# Altium PCB duo_x.PcbDoc (part 1 of 3)
Units mm, origin at the board's own origin, x right, y up, seen from the top; angles counter-clockwise.
Board outline 172 x 152 mm, 2 copper layers (Top Layer, Bottom Layer), stack 1.581 mm thick; 199 components, 164 nets, 858 pads, 437 vias.
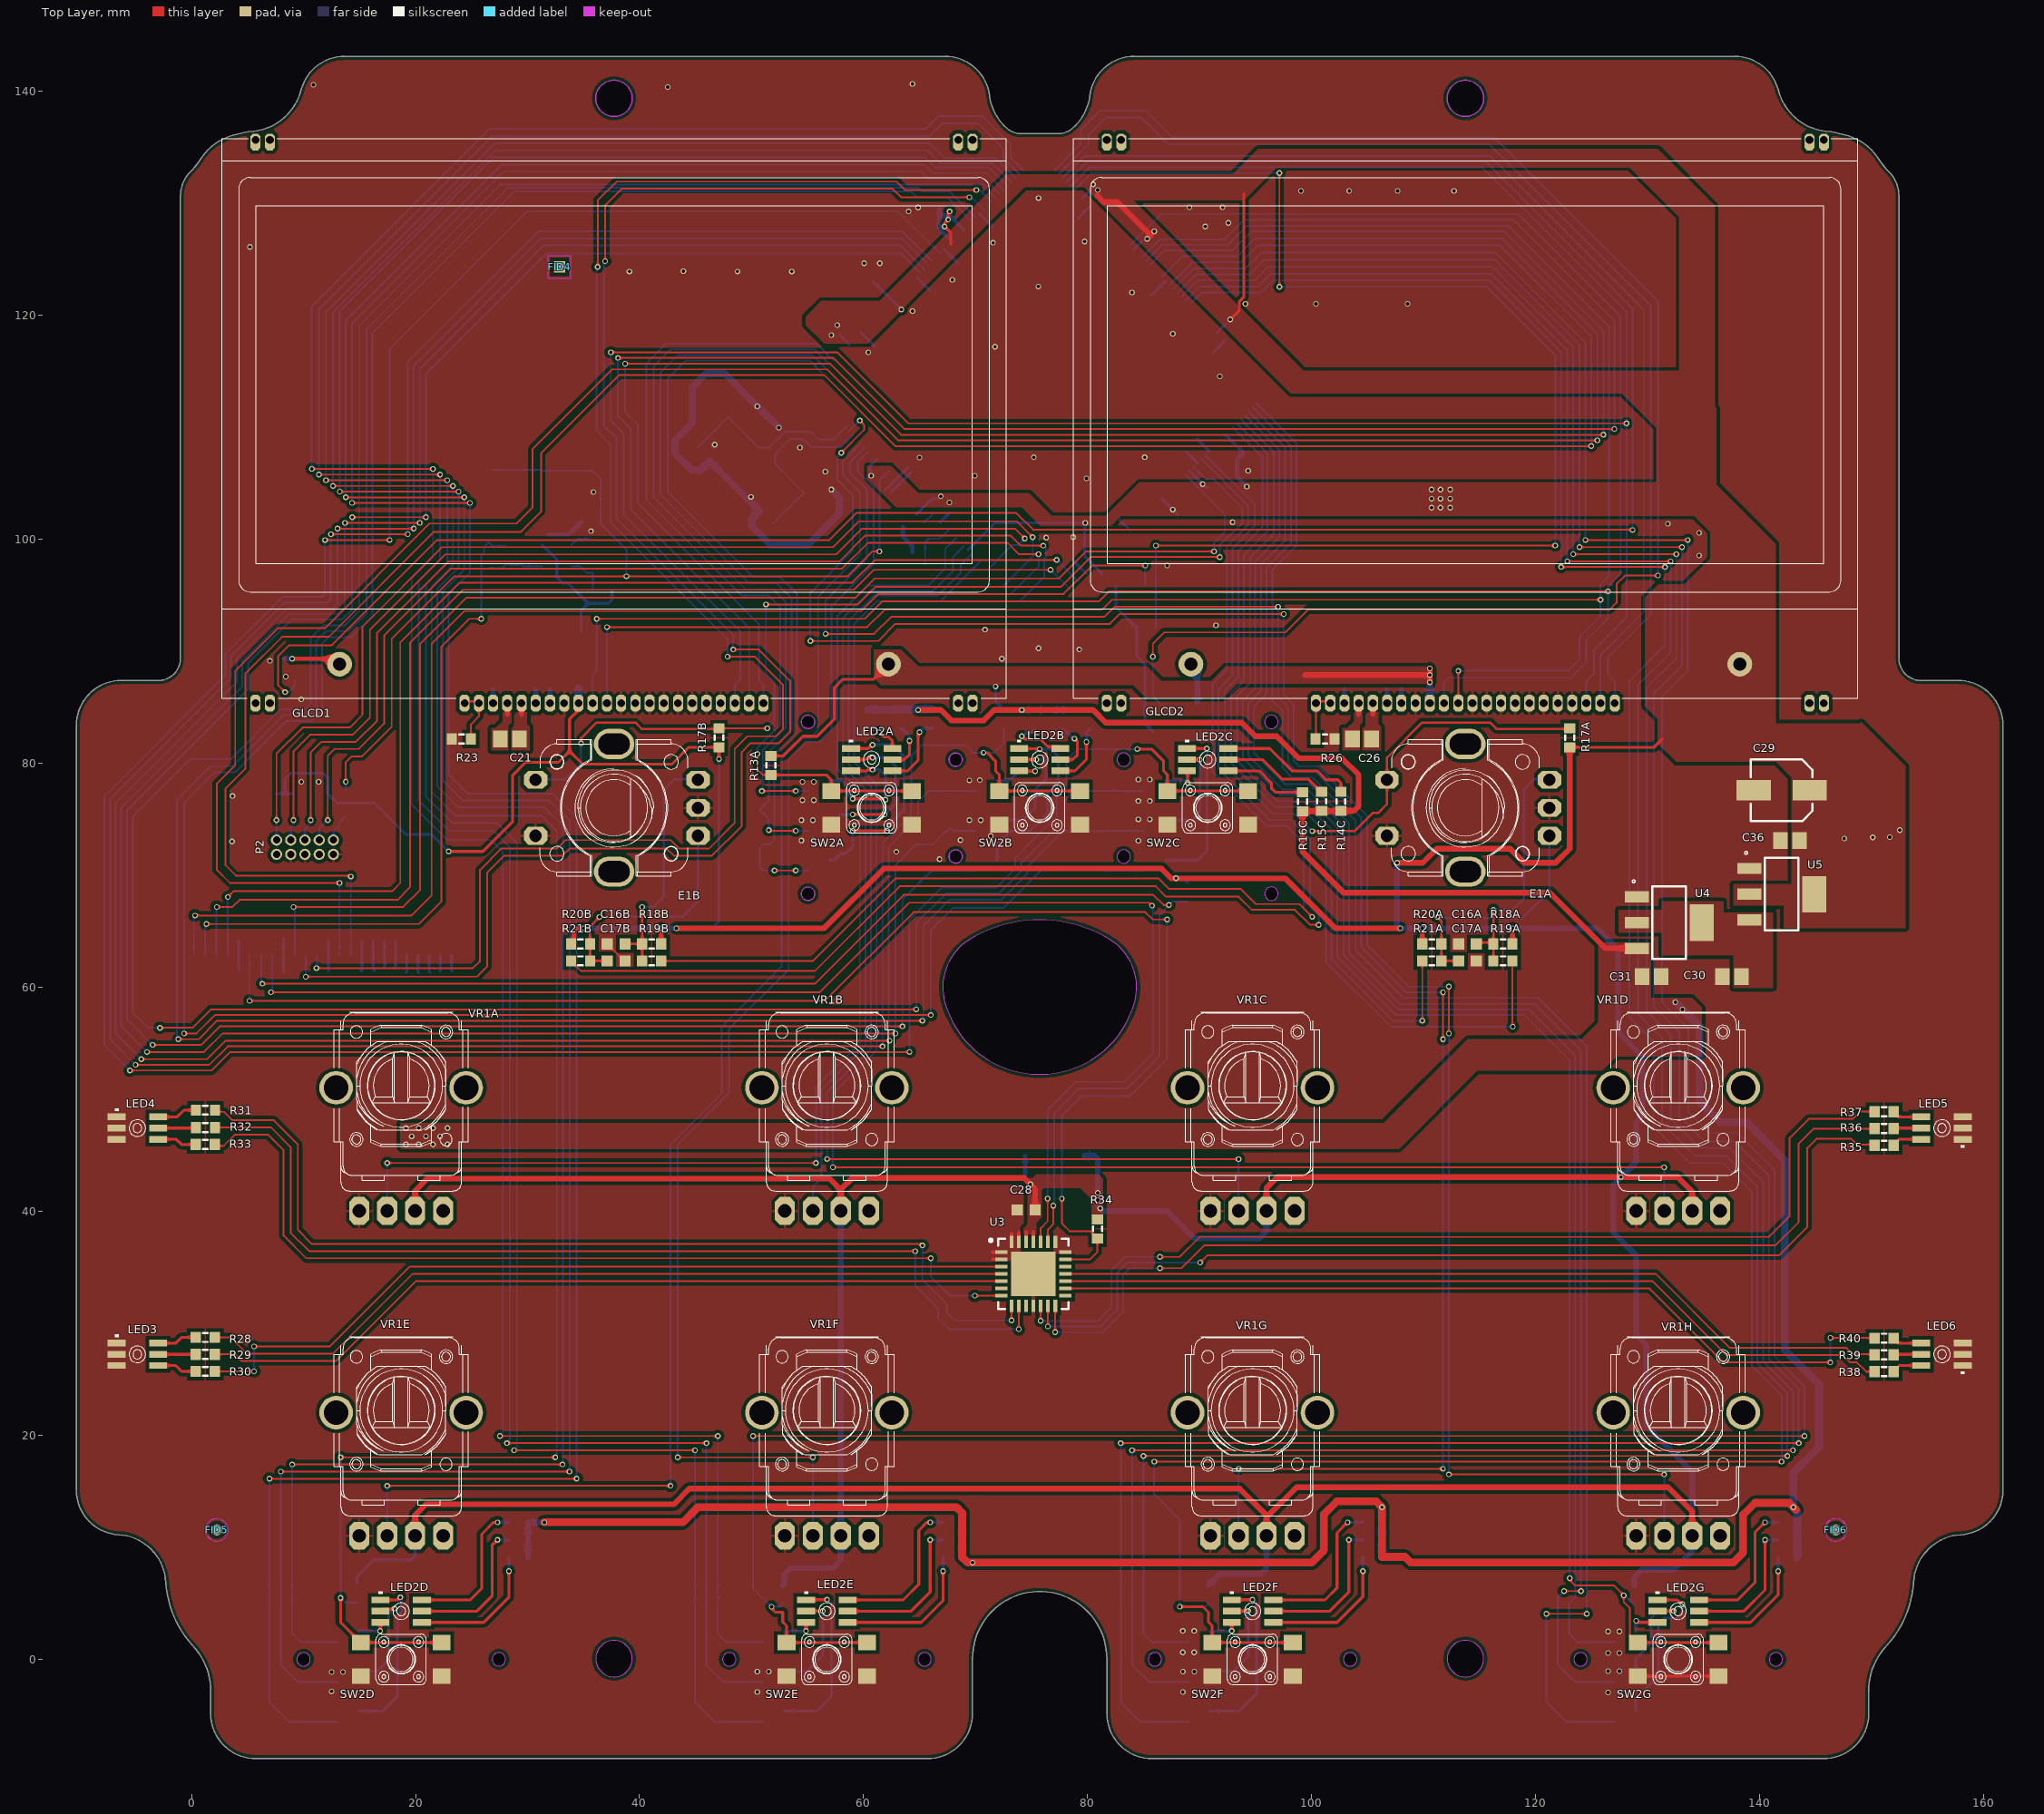
[diagram p0: Top Layer view]
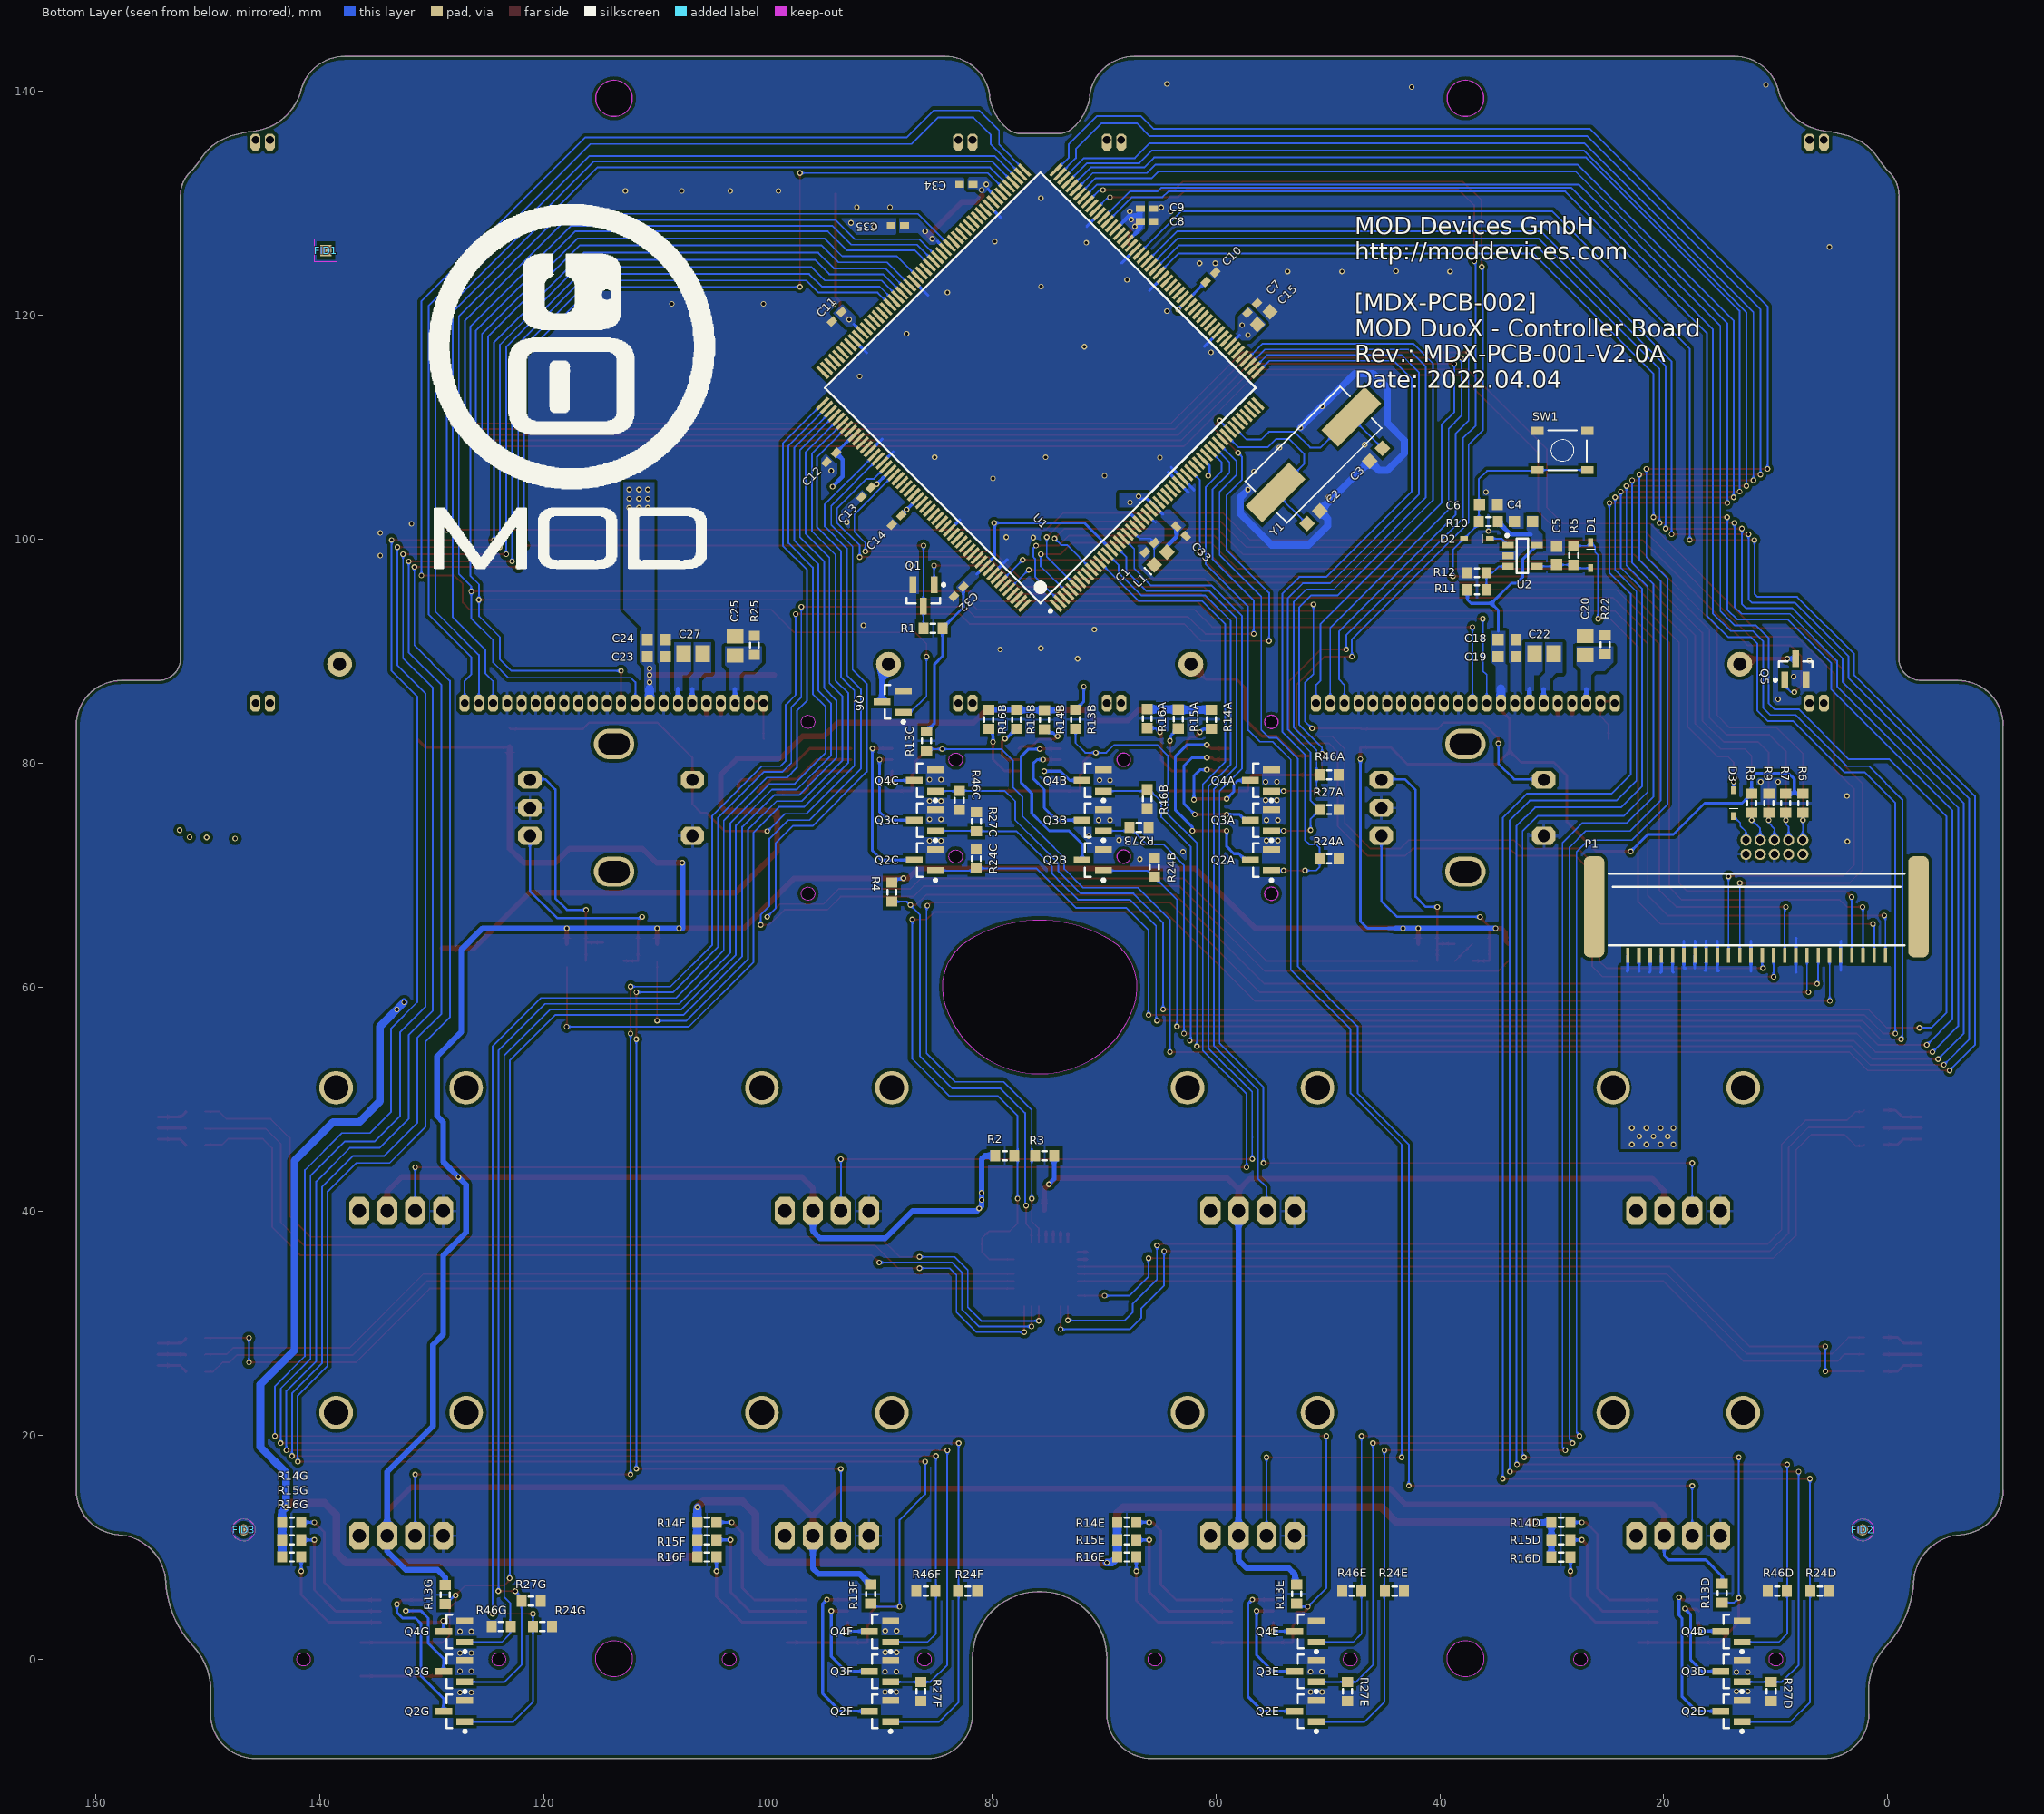
[diagram p1: Bottom Layer view, seen from below]
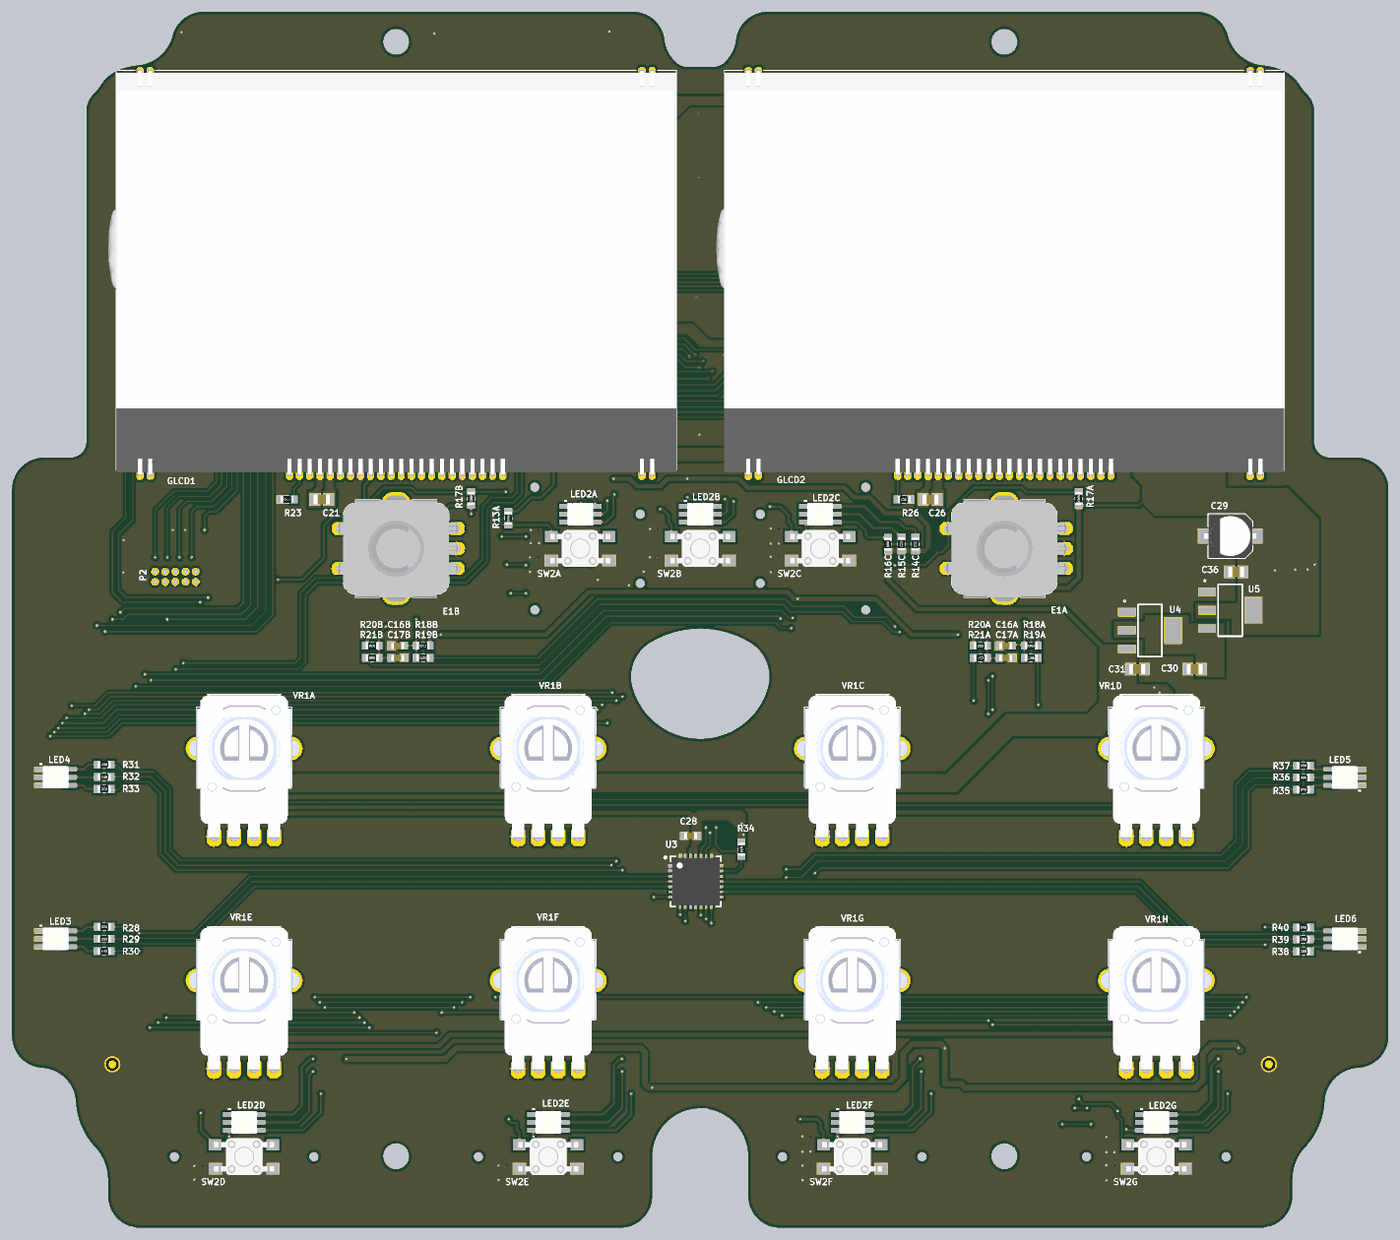
[diagram p4: 3D render of the assembled board from above, using the file's embedded part models]
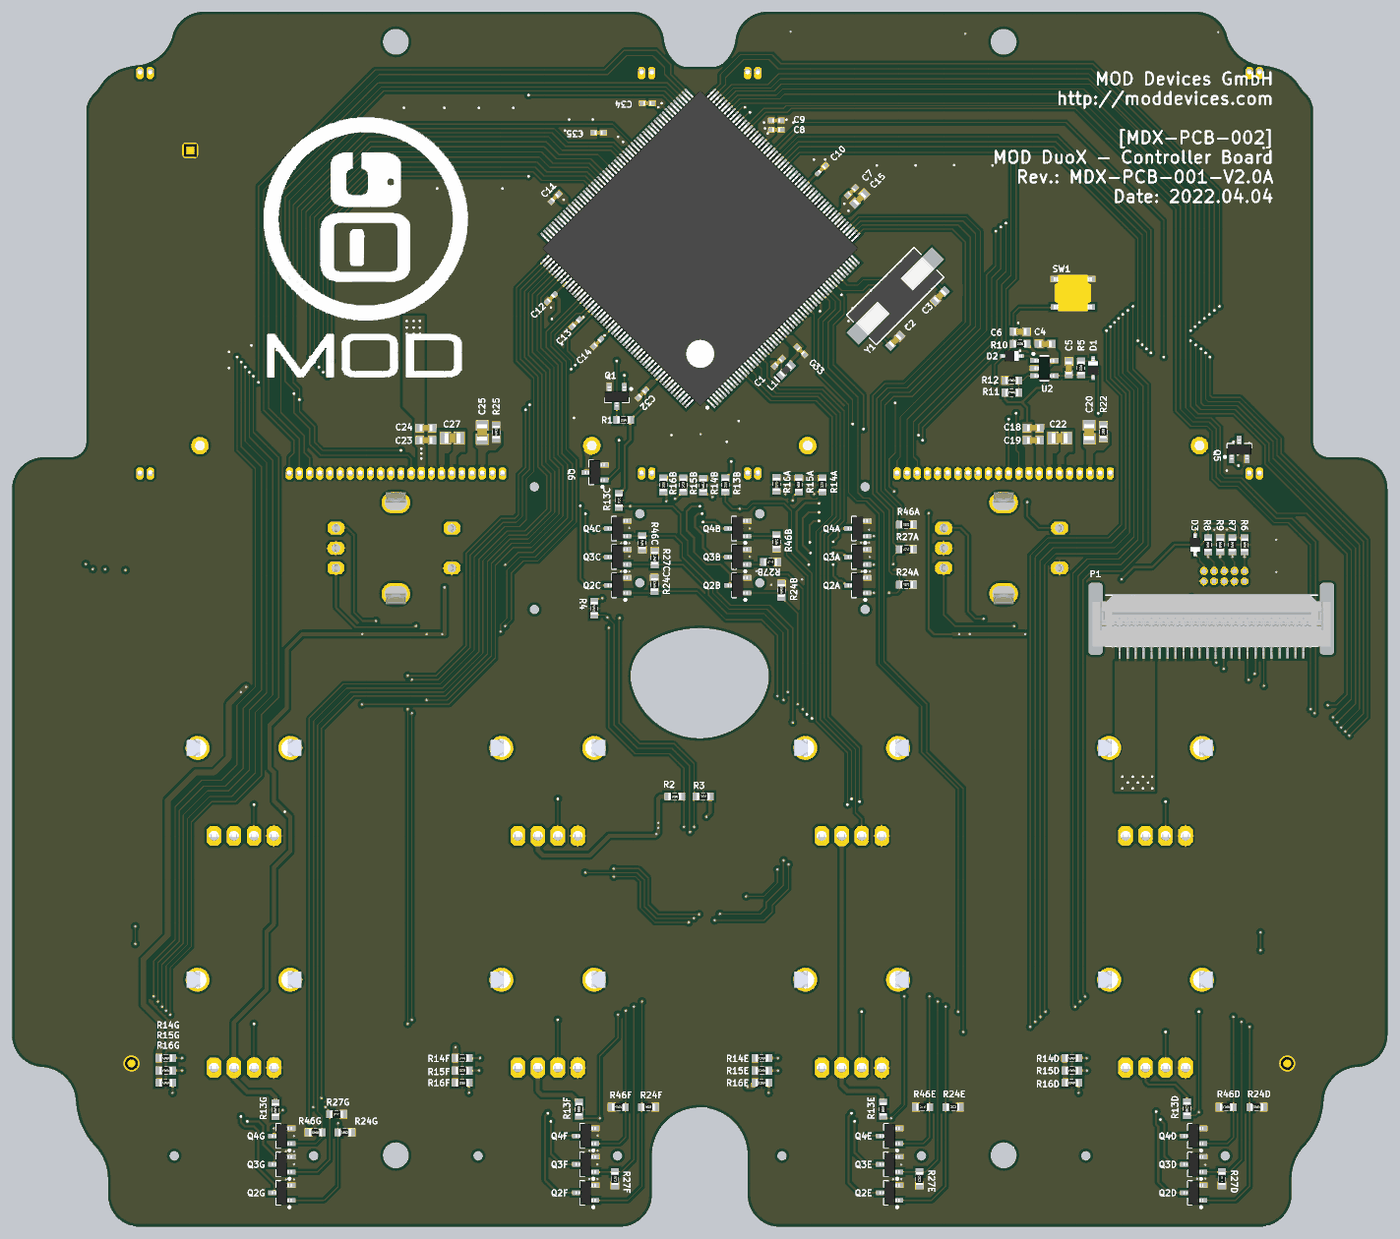
[diagram p5: 3D render of the assembled board from below, using the file's embedded part models]

## Layer stack, top to bottom
Top Solder: solder mask 0.0102, Solder Resist, Dk 3.5
Top Layer: signal copper 0.0356
Dielectric 1: dielectric 1.51, FR-4, Dk 4.8
Bottom Layer: signal copper 0.0356
Bottom Solder: solder mask 0.0102, Solder Resist, Dk 3.5

## Board outline
-6.519,11.127 cw(c-6.284,15.121) -10.284,15.121 -10.284,83.399 cw(c-6.284,83.399) -6.284,87.399 -2.984,87.399 ccw(c-2.984,89.399) -0.984,89.399 -0.984,130.708 cw(c2.016,130.708) -0.084,132.85 ccw(c-4.284,137.135) 0.791,133.933 cw(c5.019,131.265) 3.49,136.026 cw(c6.487,126.695) 5.565,136.452 ccw(c5.216,140.135) 5.978,136.514 ccw(c4.949,141.407) 9.787,140.145 cw(c13.657,139.135) 13.657,143.135 67.275,143.135 cw(c67.275,139.135) 71.248,139.606 ccw(c75.716,140.135) 72.793,136.714 ccw(c74.092,138.235) 74.092,136.235 77.34,136.235 ccw(c77.34,138.235) 78.64,136.714 ccw(c75.716,140.135) 80.185,139.606 cw(c84.157,139.135) 84.157,143.135 137.775,143.135 cw(c137.775,139.135) 141.646,140.145 ccw(c146.484,141.407) 145.455,136.514 ccw(c146.216,140.135) 145.868,136.452 cw(c144.946,126.695) 147.942,136.026 cw(c146.413,131.265) 150.642,133.933 ccw(c155.716,137.135) 151.516,132.85 cw(c149.416,130.708) 152.416,130.708 152.416,89.399 ccw(c154.416,89.399) 154.416,87.399 157.716,87.399 cw(c157.716,83.399) 161.716,83.399 161.716,15.121 cw(c157.716,15.121) 157.952,11.127 ccw(c158.216,6.635) 153.723,6.875 cw(c144.735,7.354) 151.324,1.223 ccw(c155.716,-2.865) 149.716,-2.865 149.716,-4.865 cw(c145.716,-4.865) 145.716,-8.865 85.716,-8.865 cw(c85.716,-4.865) 81.716,-4.865 81.716,0.061 ccw(c75.716,0.061) 69.716,0.061 69.716,-4.865 cw(c65.716,-4.865) 65.716,-8.865 5.716,-8.865 cw(c5.716,-4.865) 1.716,-4.865 1.716,-2.865 ccw(c-4.284,-2.865) 0.109,1.223 cw(c6.697,7.354) -2.29,6.875 ccw(c-6.784,6.635)
cut-out: 55.036,67.761 cw(c55.036,68.361) 54.436,68.361 cw(c55.036,68.361) 55.036,68.961 cw(c55.036,68.361) 55.636,68.361 cw(c55.036,68.361)
cut-out: 55.036,83.109 cw(c55.036,83.709) 54.436,83.709 cw(c55.036,83.709) 55.036,84.309 cw(c55.036,83.709) 55.636,83.709 cw(c55.036,83.709)
cut-out: 68.216,71.085 cw(c68.216,71.685) 67.616,71.685 cw(c68.216,71.685) 68.216,72.285 cw(c68.216,71.685) 68.816,71.685 cw(c68.216,71.685)
cut-out: 68.216,79.733 cw(c68.216,80.333) 67.616,80.333 cw(c68.216,80.333) 68.216,80.933 cw(c68.216,80.333) 68.816,80.333 cw(c68.216,80.333)
cut-out: 82.616,71.685 ccw(c83.216,71.685) 83.216,71.085 ccw(c83.216,71.685) 83.816,71.685 ccw(c83.216,71.685) 83.216,72.285 ccw(c83.216,71.685)
cut-out: 82.616,80.333 ccw(c83.216,80.333) 83.216,79.733 ccw(c83.216,80.333) 83.816,80.333 ccw(c83.216,80.333) 83.216,80.933 ccw(c83.216,80.333)
cut-out: 95.797,83.709 ccw(c96.397,83.709) 96.397,83.109 ccw(c96.397,83.709) 96.997,83.709 ccw(c96.397,83.709) 96.397,84.309 ccw(c96.397,83.709)
cut-out: 95.797,68.361 ccw(c96.397,68.361) 96.397,67.761 ccw(c96.397,68.361) 96.997,68.361 ccw(c96.397,68.361) 96.397,68.961 ccw(c96.397,68.361)
cut-out: 9.4,0 ccw(c10,0) 10,-0.6 ccw(c10,0) 10.6,0 ccw(c10,0) 10,0.6 ccw(c10,0)
cut-out: 9.4,0 ccw(c10,0) 10,-0.6 ccw(c10,0) 10.6,0 ccw(c10,0) 10,0.6 ccw(c10,0)
cut-out: 102.833,0 ccw(c103.433,0) 103.433,-0.6 ccw(c103.433,0) 104.033,0 ccw(c103.433,0) 103.433,0.6 ccw(c103.433,0)
cut-out: 123.4,0 ccw(c124,0) 124,-0.6 ccw(c124,0) 124.6,0 ccw(c124,0) 124,0.6 ccw(c124,0)
cut-out: 37.716,137.76 cw(c37.716,139.385) 36.091,139.385 cw(c37.716,139.385) 37.716,141.01 cw(c37.716,139.385) 39.341,139.385 cw(c37.716,139.385)
cut-out: 26.833,0 ccw(c27.433,0) 27.433,-0.6 ccw(c27.433,0) 28.033,0 ccw(c27.433,0) 27.433,0.6 ccw(c27.433,0)
cut-out: 36.091,0.061 ccw(c37.716,0.061) 37.716,-1.564 ccw(c37.716,0.061) 39.341,0.061 ccw(c37.716,0.061) 37.716,1.686 ccw(c37.716,0.061)
cut-out: 85.4,0 ccw(c86,0) 86,-0.6 ccw(c86,0) 86.6,0 ccw(c86,0) 86,0.6 ccw(c86,0)
cut-out: 140.833,0 ccw(c141.433,0) 141.433,-0.6 ccw(c141.433,0) 142.033,0 ccw(c141.433,0) 141.433,0.6 ccw(c141.433,0)
cut-out: 113.716,137.76 cw(c113.716,139.385) 112.091,139.385 cw(c113.716,139.385) 113.716,141.01 cw(c113.716,139.385) 115.341,139.385 cw(c113.716,139.385)
cut-out: 47.4,0 ccw(c48,0) 48,-0.6 ccw(c48,0) 48.6,0 ccw(c48,0) 48,0.6 ccw(c48,0)
cut-out: 64.833,0 ccw(c65.433,0) 65.433,-0.6 ccw(c65.433,0) 66.033,0 ccw(c65.433,0) 65.433,0.6 ccw(c65.433,0)
cut-out: 67.247,58.646 ccw(c75.716,61.035) 84.186,58.646 ccw(c79.374,60.003) 81.986,64.266 ccw(c75.716,54.035) 69.447,64.266 ccw(c72.059,60.003)
cut-out: 112.091,0.061 ccw(c113.716,0.061) 113.716,-1.564 ccw(c113.716,0.061) 115.341,0.061 ccw(c113.716,0.061) 113.716,1.686 ccw(c113.716,0.061)

## Design rules (kind name [scope] priority, off if disabled: settings)
Clearance Clearance_GND [(InNet('GND') AND InPolygon)] p1: gap=0.305 ignorepadtopadclearanceinfootprint=FALSE
Clearance [All] p2: gap=0.152 ignorepadtopadclearanceinfootprint=FALSE
HoleSize [All] p1: absolutevalues=TRUE maxlimit=10 minlimit=0.025 maxpercent=80.000 minpercent=20.000
MinimumSolderMaskSliver [All] p1: minsoldermaskwidth=0.076
PolygonConnect PolygonConnect_GND [InNet('GND')] p1: thpad.connectstyle=Relief thpad.reliefconductorwidth=0.254 thpad.reliefentries=4 thpad.polygonreliefangle="90 Angle" thpad.airgapwidth=0.254 smdpad.connectstyle=Direct smdpad.reliefconductorwidth=0.254 smdpad.reliefentries=4 smdpad.polygonreliefangle="90 Angle" smdpad.airgapwidth=0.254 via.connectstyle=Direct via.reliefconductorwidth=0.254 via.reliefentries=4 via.polygonreliefangle="90 Angle" via.airgapwidth=0.254
PolygonConnect [All] p2: connectstyle=Direct reliefconductorwidth=0.254 reliefentries=4 polygonreliefangle="90 Angle" airgapwidth=0.254
RoutingVias [All] p1: holewidth=0.711 width=1.27 viastyle="Through Hole" minholewidth=0.711 minwidth=1.27 maxholewidth=0.711 maxwidth=1.27
SilkToSilkClearance [All] p1: silktosilkclearance=0.152
SilkToSolderMaskClearance [IsPad] p1: minsilkscreentomaskgap=0.076 clearancetoexposedcopper=TRUE
SolderMaskExpansion [All] p1: expansion=0.051 istentingtop=FALSE
Width [All] p1: maxlimit=10 minlimit=0.152 preferedwidth=0.254
26 further rules are at their usual default settings.

## Classes and differential pairs
component class DUO_X: FID1 FID2 FID3 FID4 FID5 FID6
component class U_[7]-POWER_DCDC_3V3: C29 C30 C31 C36 U4 U5
net class ENC_B[2..1]: ENC_B1 ENC_B2
net class ENC_A[2..1]: ENC_A1 ENC_A2
net class ENC_SW[2..1]: ENC_SW1 ENC_SW2
net class POT[8..1]: POT1 POT2 POT3 POT4 POT5 POT6 POT7 POT8
net class LED_B[7..0]: LED_B0 LED_B1 LED_B2 LED_B3 LED_B4 LED_B5 LED_B6 LED_B7
net class LED_G[7..0]: LED_G0 LED_G1 LED_G2 LED_G3 LED_G4 LED_G5 LED_G6 LED_G7
net class LED_R[7..0]: LED_R0 LED_R1 LED_R2 LED_R3 LED_R4 LED_R5 LED_R6 LED_R7
net class SW[7..0]: SW0 SW1 SW2 SW3 SW4 SW5 SW6 SW7
component class U_[6]-POTENTIOMETERS8: VR1H
channel class [6]-POTENTIOMETERS: U_[6]-POTENTIOMETERS1 U_[6]-POTENTIOMETERS2 U_[6]-POTENTIOMETERS3 U_[6]-POTENTIOMETERS4 U_[6]-POTENTIOMETERS5 U_[6]-POTENTIOMETERS6 U_[6]-POTENTIOMETERS7
channel class [3]-ROTARY_ENCODER: U_[3]-ROTARY_ENCODER1 U_[3]-ROTARY_ENCODER2
channel class [2]-BUTTONS_ILLUMINATION: U_[2]-BUTTONS_ILLUMINATION1 U_[2]-BUTTONS_ILLUMINATION2 U_[2]-BUTTONS_ILLUMINATION3 U_[2]-BUTTONS_ILLUMINATION4 U_[2]-BUTTONS_ILLUMINATION5 U_[2]-BUTTONS_ILLUMINATION6 U_[2]-BUTTONS_ILLUMINATION7
component class U_[6]-POTENTIOMETERS7: VR1G
component class U_[6]-POTENTIOMETERS6: VR1F
component class U_[6]-POTENTIOMETERS5: VR1E
component class U_[6]-POTENTIOMETERS4: VR1D
component class U_[6]-POTENTIOMETERS3: VR1C
component class U_[6]-POTENTIOMETERS2: VR1B
component class U_[6]-POTENTIOMETERS1: VR1A
component class U_[5]-PEAKMETER_LEDS: C28 LED3 LED4 LED5 LED6 R28 R29 R30 R31 R32 R33 R34 R35 R36 R37 R38 R39 R40 U3
component class U_[4]-DISPLAY_ERC12864FS: C18 C19 C20 C21 C22 C23 C24 C25 C26 C27 GLCD1 GLCD2 Q5 Q6 R22 R23 R25 R26
component class U_[3]-ROTARY_ENCODER2: C16B C17B E1B R17B R18B R19B R20B R21B
component class U_[3]-ROTARY_ENCODER1: C16A C17A E1A R17A R18A R19A R20A R21A
component class U_[2]-BUTTONS_ILLUMINATION7: LED2G Q2G Q3G Q4G Q5G R13G R14G R15G R16G R24G R27G R46G SW2G
component class U_[2]-BUTTONS_ILLUMINATION6: LED2F Q2F Q3F Q4F Q6F R13F R14F R15F R16F R24F R27F R46F SW2F
component class U_[2]-BUTTONS_ILLUMINATION5: LED2E Q2E Q3E Q4E Q6E R13E R14E R15E R16E R24E R27E R46E SW2E
component class U_[2]-BUTTONS_ILLUMINATION4: LED2D Q2D Q3D Q4D Q6D R13D R14D R15D R16D R24D R27D R46D SW2D
component class U_[2]-BUTTONS_ILLUMINATION3: LED2C Q2C Q3C Q4C Q5C R13C R14C R15C R16C R24C R27C R46C SW2C
component class U_[2]-BUTTONS_ILLUMINATION2: LED2B Q2B Q3B Q4B Q5B Q6B R13B R14B R15B R16B R24B R27B R46B SW2B
component class U_[2]-BUTTONS_ILLUMINATION1: LED2A Q2A Q3A Q4A Q5A Q6A R13A R14A R15A R16A R24A R27A R46A SW2A
component class U_[1]-MCU_LPC1777: C1 C2 C3 C4 C5 C6 C7 C8 C9 C10 C11 C12 C13 C14 C15 C32 C33 C34 C35 D1 D2 D3 L1 P1 P2 Q1 R1 R2 R3 R4 R5 R6 R7 R8 R9 R10 R11 R12 SW1 U1 U2 Y1
